# Altium PCB PCB1.PcbDoc (part 4 of 8)
Units mm, origin at the board's own origin, x right, y up, seen from the top; angles counter-clockwise.
Board outline 215 x 62.44 mm, 6 copper layers (Top Layer, Layer 1, Layer 2, Layer 3, Layer 4, Bottom Layer), stack 1.538 mm thick; 444 components, 475 nets, 1876 pads, 1257 vias.
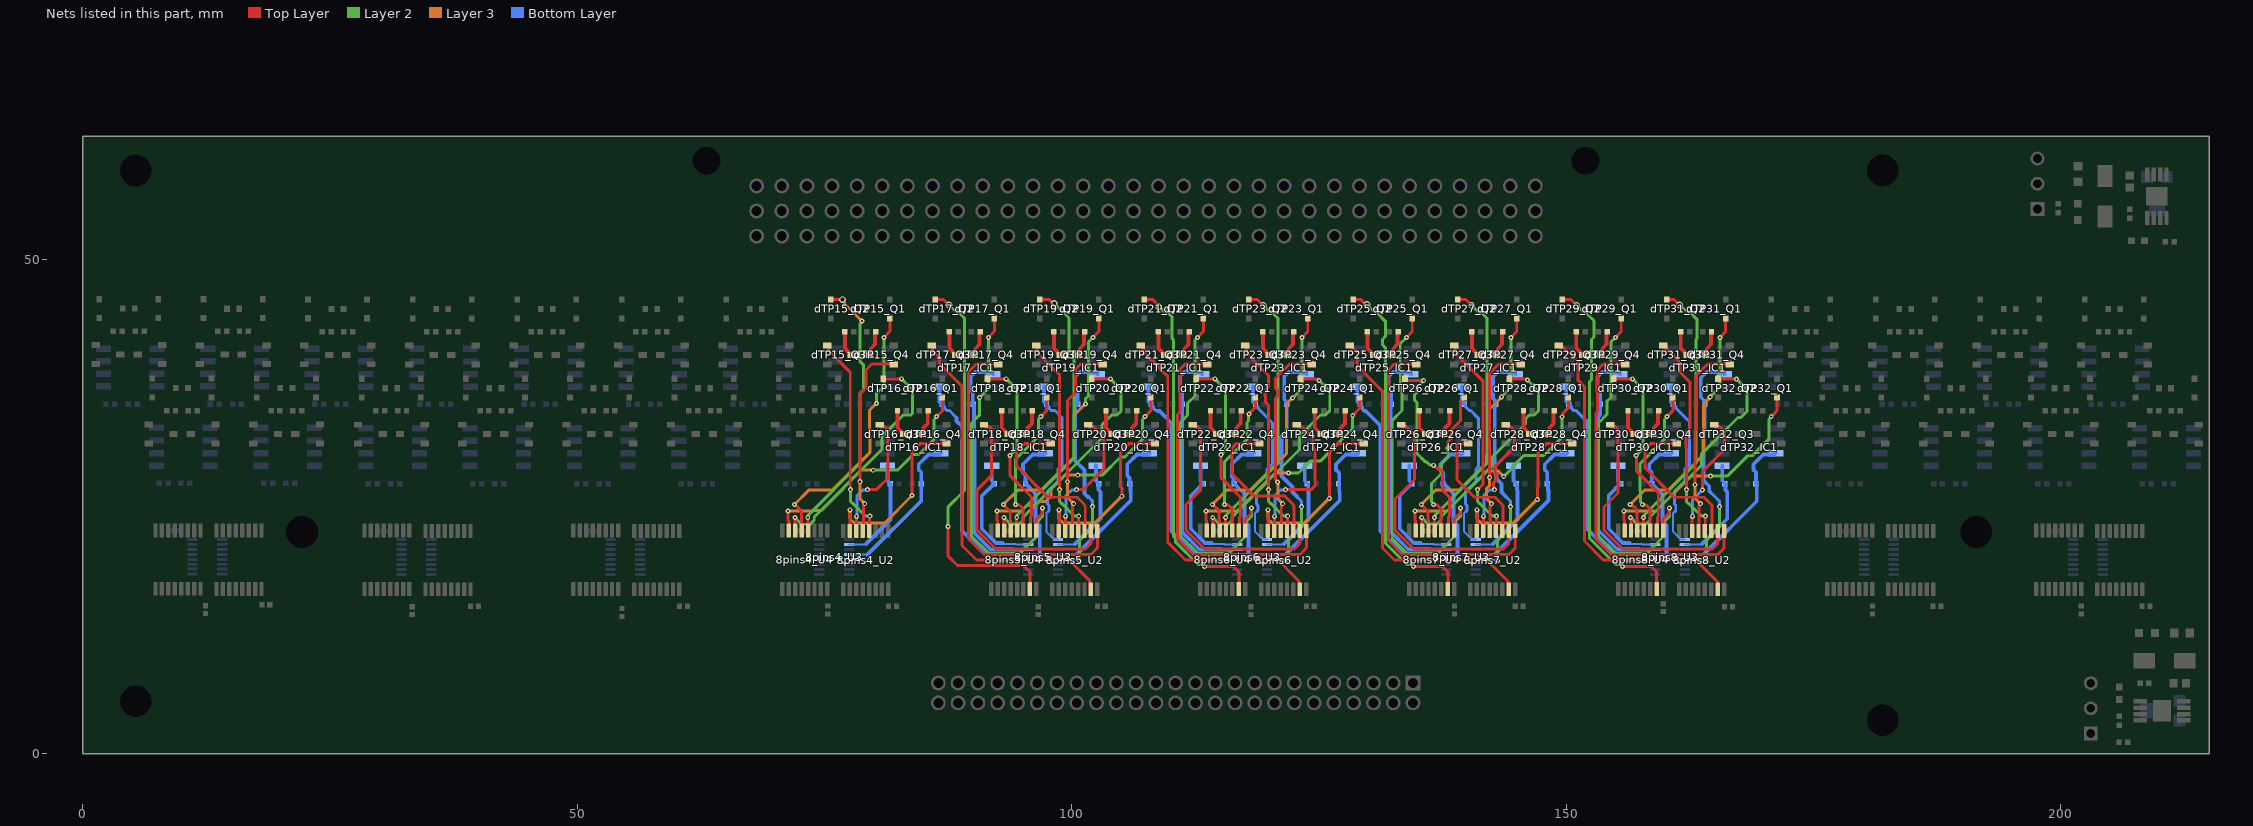
[diagram p8: the nets of this part, all layers, seen from the top]

## Via types
v1: diameter 0.5, hole 0.22, Top Layer to Bottom Layer, 884 vias
v2: diameter 0.5/0.5/0.5/0.5/0.5/0.5 (per signal layer), hole 0.22, Top Layer to Bottom Layer, tented both sides, 221 vias
v3: diameter 0.7, hole 0.4, Top Layer to Bottom Layer, 143 vias
v4: diameter 1.2, hole 0.5, Top Layer to Bottom Layer, 9 vias

## Nets (pads, with @x,y where several pads share a name; then routed paths per layer and width w, separated by ;. In a path a pad name is that pad's centre, name@x,y a point inside that pad or via, vN(x,y) a via of type N, cw(c..) or ccw(c..) an arc to the next point about the centre after c; other vN are vias at no path point) (continued)
NetdTP15_Q1_1: 8pins4_U4.5 dTP15_Q1.1 | length 27.3
  Top Layer w0.3: v1(71.948,25.229) 72.002,25.229 72.644,24.586 72.644,23.65 72.68,23.615 8pins4_U4.5@72.68,22.592 ; v1(81.004,42.127) 81.592,42.715 dTP15_Q1.1@81.592,44.077
  Layer 2 w0.3: v1(80.235,35.443) 80.235,36.444 81.004,37.213 v1(81.004,42.127)
  Layer 3 w0.3: v1(71.948,25.229) 73.393,26.674 75.777,26.674 79.571,30.468 79.571,31.971 79.518,32.023 79.518,34.727 v1(80.235,35.443)
NetdTP15_Q2_1: 8pins4_U4.4 dTP15_Q2.1 | length 28
  Top Layer w0.3: v1(73.298,23.921) 73.298,22.623 8pins4_U4.4@73.33,22.592 ; dTP15_Q2.1@75.618,45.953 75.626,45.945 76.82,45.945 v3(76.828,45.937)
  Layer 2 w0.3: v1(73.298,23.921) 73.337,23.959 73.337,24.143 78.558,29.365 78.558,36.428 78.954,36.824 78.954,39.312 78.558,39.708 78.558,43.484 78.689,43.615 78.689,43.617 78.789,43.717 v1(78.789,43.771)
  Layer 3 w0.3: v3(76.828,45.937) 76.828,45.829 77.011,45.646 77.011,45.549 v1(78.789,43.771)
NetdTP15_Q3_1: 8pins4_U2.4 dTP15_Q3.1 | length 20.9
  Top Layer w0.3: dTP15_Q3.1@75.256,41.303 75.304,41.303 75.454,41.153 75.454,40.741 77.592,38.603 77.592,26.76 v1(77.627,26.725) ; 8pins4_U2.4@79.501,22.563 79.537,22.599 79.537,24.012 v1(79.572,24.048)
  Layer 2 w0.3: v1(77.627,26.725) 77.627,25.523 77.803,25.347 77.847,25.347 79.146,24.048 v1(79.572,24.048)
NetdTP15_Q3_3: dTP15_Q3.3 dTP15_R7.2 | length 2.7
  Top Layer w0.381: dTP15_R7.2@77.054,42.727 77.054,41.005 dTP15_Q3.3@77.519,40.54 ; dTP15_Q3.3@77.561,40.445 dTP15_Q3.3@77.886,40.445
NetdTP15_Q4_1: 8pins4_U2.5 dTP15_Q4.1 | length 19.9
  Top Layer w0.3: v1(78.559,27.536) 78.559,36.429 79.188,37.058 79.188,38.837 79.779,39.427 dTP15_Q4.1@82.004,39.427 ; 8pins4_U2.5@78.851,22.563 78.926,22.638 78.926,23.713 78.918,23.721 78.918,25.112 79.062,25.255 v1(79.062,25.309)
  Layer 3 w0.3: v1(78.559,27.536) 78.567,27.528 78.567,25.804 v1(79.062,25.309)
NetdTP15_Q4_3: dTP15_Q4.3 dTP15_R8.2 | length 2.6
  Top Layer w0.381: dTP15_Q4.3@79.504,40.377 79.555,40.377 79.664,40.487 79.664,40.988 80.103,41.426 80.103,42.676 dTP15_R8.2@80.154,42.727
NetdTP16_IC1_1: 8pins4_U3.2 dTP16_IC1.1 dTP16_R5.2 | length 10.8
  Bottom Layer w0.2: 8pins4_U3.2@77.476,21.168 79.131,21.168 79.202,21.239
  Bottom Layer w0.381: 79.202,21.239 81.677,23.714 81.677,27.311 81.361,27.627 dTP16_IC1.1@81.361,29.16
NetdTP16_IC1_7: 8pins4_U3.4 dTP16_IC1.7 dTP16_R6.2 | length 16.1
  Bottom Layer w0.2: 8pins4_U3.4@77.476,20.168 79.35,20.168
  Bottom Layer w0.381: 79.35,20.168 84.773,25.591 84.773,28.482 84.523,28.732 84.523,29.308 85.51,30.295 86.65,30.295 dTP16_IC1.7@86.785,30.43
NetdTP16_Q1_1: 8pins4_U4.7 dTP16_Q1.1 | length 24.4
  Top Layer w0.3: v1(71.302,24.566) 71.309,24.56 71.309,23.635 71.38,23.564 8pins4_U4.7@71.38,22.592 ; v1(86.323,34.115) 86.911,34.703
  Top Layer w0.31: 86.911,34.703 86.912,34.704 dTP16_Q1.1@86.912,36.04
  Layer 2 w0.3: v1(79.916,28.695) 82.375,28.695 83.967,30.286 84.519,30.286 86.073,31.84 86.073,33.832 86.323,34.082 v1(86.323,34.115)
  Layer 3 w0.3: v1(71.302,24.566) 71.311,24.575 73.883,24.575 73.919,24.611 74.708,24.611 76.973,26.875 76.973,26.996 78.672,28.695 v1(79.916,28.695)
NetdTP16_Q2_1: 8pins4_U4.6 dTP16_Q2.1 | length 24.9
  Top Layer w0.3: v1(71.99,23.906) 72.01,23.886 72.01,22.612 8pins4_U4.6@72.03,22.592 ; dTP16_Q2.1@80.936,37.94 v1(82.764,37.94)
  Layer 2 w0.3: v1(71.99,23.906) 72.662,23.234 73.536,23.234 73.952,23.65 73.952,23.976 80.826,30.849 80.826,32.143 82.952,34.269 83.715,34.269 83.891,34.444 83.891,36.813 v1(82.764,37.94)
NetdTP16_Q3_1: 8pins4_U2.6 dTP16_Q3.1 | length 13.4
  Top Layer w0.3: 8pins4_U2.6@78.201,22.563 78.219,22.581 78.219,24.015 v1(78.236,24.033) ; v1(79.354,26.725) 80.23,26.725 81.409,27.904 81.409,32.779 81.047,33.14 80.747,33.14 dTP16_Q3.1@80.573,33.315
  Bottom Layer w0.3: v1(78.236,24.033) 78.275,24.071 78.275,26.128 78.851,26.705 79.334,26.705 v1(79.354,26.725)
NetdTP16_Q3_3: dTP16_Q3.3 dTP16_R7.2 | length 2.7
  Top Layer w0.381: dTP16_R7.2@82.373,34.715 82.373,32.992 dTP16_Q3.3@82.838,32.527 ; dTP16_Q3.3@82.88,32.432 dTP16_Q3.3@83.205,32.432
NetdTP16_Q4_1: 8pins4_U2.7 dTP16_Q4.1 | length 18.9
  Top Layer w0.3: 8pins4_U2.7@77.551,22.563 77.564,22.576 77.564,24.681 v1(77.576,24.693) ; v1(83.847,26.129) 83.858,26.14 83.858,30.55 84.723,31.415 dTP16_Q4.1@87.323,31.415
  Layer 3 w0.3: v1(77.576,24.693) 77.576,23.768 77.966,23.379 81.096,23.379 v1(83.847,26.129)
NetdTP16_Q4_3: dTP16_Q4.3 dTP16_R8.2 | length 2.6
  Top Layer w0.381: dTP16_Q4.3@84.823,32.365 84.874,32.365 84.983,32.474 84.983,32.975 85.421,33.413 85.421,34.663 dTP16_R8.2@85.473,34.715
NetdTP17_IC1_1: 8pins5_U3.13 dTP17_IC1.1 dTP17_R5.2 | length 23.4
  Bottom Layer w0.2: 91.306,20.172 91.534,20.172 91.538,20.168 94.266,20.168 94.27,20.172 8pins5_U3.13@95.601,20.172
  Bottom Layer w0.25: 91.306,20.172 91.31,20.168
  Bottom Layer w0.3: dTP17_R5.2@86.977,35.377 86.977,35.248 87.147,35.078 87.147,34.933 87.352,34.728 87.626,34.728 88.342,34.012
  Bottom Layer w0.381: dTP17_IC1.1@86.608,37.172 86.608,35.639 86.87,35.377 86.87,35.355 dTP17_R5.2@86.872,35.353 ; 88.342,34.012 88.342,33.668 88.926,33.084 88.926,22.552 91.306,20.172
NetdTP17_IC1_7: 8pins5_U3.14 dTP17_IC1.7 dTP17_R6.2 | length 24.8
  Bottom Layer w0.2: 94.04,20.713 94.085,20.668 8pins5_U3.14@95.605,20.668
  Bottom Layer w0.381: dTP17_IC1.7@92.034,38.418 91.899,38.553 91.32,38.553 91.239,38.634 90.243,38.634 89.77,38.16 89.77,36.745 89.991,36.524 89.991,35.384 90.106,35.269 90.106,32.669 90.019,32.582 90.019,32.006 90.186,31.839 90.186,22.29 91.764,20.713 94.04,20.713
NetdTP17_Q1_1: 8pins5_U4.1 dTP17_Q1.1 | length 35.9
  Top Layer w0.3: v1(91.57,42.127) 92.158,42.715 dTP17_Q1.1@92.158,44.077 ; 8pins5_U4.1@96.393,23.27 96.393,23.742 96.978,24.327 96.978,24.766 97.029,24.817 v1(97.029,24.871)
  Layer 2 w0.3: v1(91.57,42.127) 91.57,36.945 v1(90.686,36.061) 90.686,34.296 89.866,33.476 89.866,22.052 91.568,20.35 94.793,20.35 96.394,21.95 96.394,23.39 97.029,24.025 v1(97.029,24.871)
NetdTP17_Q2_1: 8pins5_U4.15 dTP17_Q2.1 | length 39.1
  Top Layer w0.3: dTP17_Q2.1@86.184,45.953 87.014,45.953 87.57,45.397 v3(87.59,45.397) ; v1(87.5,23) 87.5,20 88.426,19.074 95.087,19.074 95.759,18.402 8pins5_U4.15@95.759,16.692
  Layer 2 w0.3: v1(87.5,23) 87.5,25 89.139,26.639 89.139,44.063 88.51,44.692 88.295,44.692 v3(87.59,45.397)
NetdTP17_Q3_1: 8pins5_U2.15 dTP17_Q3.1 | length 36.8
  Top Layer w0.3: dTP17_Q3.1@85.822,41.303 85.923,41.203 85.923,40.729 86.597,40.055 86.597,39.498 88.9,37.195 88.9,21.087 90.359,19.628 99.707,19.628 101.855,17.479 101.855,16.738 8pins5_U2.15@101.93,16.663
NetdTP17_Q3_3: dTP17_Q3.3 dTP17_R7.2 | length 2.7
  Top Layer w0.381: dTP17_R7.2@87.62,42.727 87.62,41.005 dTP17_Q3.3@88.086,40.54 ; dTP17_Q3.3@88.128,40.445 dTP17_Q3.3@88.453,40.445
NetdTP17_Q4_1: 8pins5_U2.1 dTP17_Q4.1 | length 35.9
  Top Layer w0.3: dTP17_Q4.1@92.57,39.427 90.345,39.427 89.561,38.643 89.561,21.772 91.152,20.182 101.941,20.182 102.58,20.821 8pins5_U2.1@102.58,22.563
NetdTP17_Q4_3: dTP17_Q4.3 dTP17_R8.2 | length 2.6
  Top Layer w0.381: dTP17_Q4.3@90.07,40.377 90.121,40.377 90.231,40.487 90.231,40.988 90.669,41.426 90.669,42.676 dTP17_R8.2@90.72,42.727
NetdTP18_IC1_1: 8pins5_U3.15 dTP18_IC1.1 dTP18_R5.2 | length 12.4
  Bottom Layer w0.2: 93.01,21.348 93.101,21.257 94.266,21.257 94.355,21.168 8pins5_U3.15@95.605,21.168
  Bottom Layer w0.381: dTP18_IC1.1@91.902,29.16 91.902,27.627 92.164,27.365 dTP18_R5.2@92.164,27.339 ; dTP18_R5.2@92.165,27.34 90.899,26.074 90.899,22.772 92.323,21.348 93.01,21.348
NetdTP18_IC1_7: 8pins5_U3.12 dTP18_IC1.7 dTP18_R6.2 | length 13.9
  Bottom Layer w0.2: 8pins5_U3.12@95.605,19.668 95.655,19.718 96.225,19.718 96.749,20.242 96.749,20.248
  Bottom Layer w0.381: 96.749,20.248 96.749,23.094 96.334,23.509 96.334,26.322 dTP18_R6.2@95.315,27.34 95.315,28.225 95.064,28.476 95.064,29.308 96.051,30.295 97.191,30.295 dTP18_IC1.7@97.326,30.43
NetdTP18_Q1_1: 8pins5_U4.3 dTP18_Q1.1 | length 15.4
  Top Layer w0.3: v1(94.303,25.229) 94.341,25.191 94.696,25.191 95.081,24.806 8pins5_U4.3@95.081,22.511 ; v1(96.864,34.115) 97.452,34.703
  Top Layer w0.31: 97.452,34.703 97.453,34.704 dTP18_Q1.1@97.453,36.04
  Layer 2 w0.3: v1(94.303,25.229) 94.303,29.797 96.614,32.109 96.614,33.832 96.864,34.082 v1(96.864,34.115)
NetdTP18_Q2_1: 8pins5_U4.2 dTP18_Q2.1 | length 18.9
  Top Layer w0.3: dTP18_Q2.1@91.477,37.94 v1(93.364,37.94) ; v1(93.745,30.176) 93.764,30.157 93.764,28.141 95.911,25.994 95.911,24.044 95.834,23.967 95.834,23.318 95.834,22.667 8pins5_U4.2@95.759,22.592
  Layer 2 w0.3: v1(93.364,37.94) 94.432,36.872 94.432,30.865 93.745,30.178 v1(93.745,30.176)
NetdTP18_Q3_1: 8pins5_U2.2 dTP18_Q3.1 | length 25.6
  Top Layer w0.3: dTP18_Q3.1@91.114,33.315 91.288,33.14 91.588,33.14 91.89,32.838 91.89,28.185 90.425,26.72 90.425,22.635 92.324,20.736 101.377,20.736 101.925,21.284 101.925,22.558 8pins5_U2.2@101.93,22.563
NetdTP18_Q3_3: dTP18_Q3.3 dTP18_R7.2 | length 2.7
  Top Layer w0.381: dTP18_R7.2@92.914,34.715 92.914,32.992 dTP18_Q3.3@93.379,32.527 ; dTP18_Q3.3@93.421,32.432 dTP18_Q3.3@93.746,32.432
NetdTP18_Q4_1: 8pins5_U2.3 dTP18_Q4.1 | length 16.5
  Top Layer w0.3: dTP18_Q4.1@97.864,31.415 95.264,31.415 94.399,30.55 94.399,29.141 97.577,25.963 100.534,25.963 101.22,25.277 101.22,25.223 101.355,25.088 101.355,22.638 8pins5_U2.3@101.28,22.563
NetdTP18_Q4_3: dTP18_Q4.3 dTP18_R8.2 | length 2.6
  Top Layer w0.381: dTP18_Q4.3@95.364,32.365 95.415,32.365 95.524,32.474 95.524,32.975 95.962,33.413 95.962,34.663 dTP18_R8.2@96.014,34.715
NetdTP19_IC1_1: 8pins5_U3.1 dTP19_IC1.1 dTP19_R5.2 | length 17.9
  Bottom Layer w0.2: 97.578,24.495 97.542,24.495 97.415,24.369 97.415,22.483 98.23,21.668 8pins5_U3.1@98.605,21.668
  Bottom Layer w0.3: dTP19_R5.2@97.438,35.353 97.713,35.078 97.713,34.933 97.918,34.728 98.286,34.728 98.985,34.029 98.985,29.194 98.601,28.81 98.601,27.602 97.56,26.56 97.56,25.265 97.683,25.142 97.683,24.6 97.578,24.495
  Bottom Layer w0.381: dTP19_IC1.1@97.175,37.172 97.175,35.639 dTP19_R5.2@97.437,35.377
NetdTP19_IC1_7: 8pins5_U3.5 dTP19_IC1.7 dTP19_R6.2 | length 24.9
  Layer 2 w0.3: v1(100.773,19.528) 100.773,21.581 102.104,22.912 v1(102.104,25.005)
  Bottom Layer w0.2: 8pins5_U3.5@98.605,19.668 100.209,19.668 100.254,19.624 100.505,19.624 100.544,19.585 100.715,19.585 v1(100.773,19.528)
  Bottom Layer w0.3: 101.677,25.989 102.104,25.562 v1(102.104,25.005)
  Bottom Layer w0.381: dTP19_R6.2@100.587,35.377 100.587,36.495 100.337,36.745 100.337,38.16 100.81,38.634 101.805,38.634 101.886,38.553 102.466,38.553 dTP19_IC1.7@102.6,38.418 ; dTP19_R6.2@100.588,35.353 100.354,35.119 100.354,29.641 101.291,28.704 101.291,26.321 101.624,25.989 101.677,25.989
NetdTP19_Q1_1: 8pins5_U4.5 dTP19_Q1.1 | length 27.2
  Top Layer w0.3: v1(93.077,25.229) 93.773,24.532 93.773,23.65 93.809,23.615 8pins5_U4.5@93.809,22.592 ; v1(102.137,42.127) 102.725,42.715 dTP19_Q1.1@102.725,44.077
  Layer 2 w0.3: v1(101.367,35.381) 101.406,35.42 101.406,35.952 101.685,36.231 101.685,41.676 v1(102.137,42.127)
  Layer 3 w0.3: v1(93.077,25.229) 94.522,26.674 96.906,26.674 100.229,29.998 100.229,34.243 v1(101.367,35.381)
NetdTP19_Q2_1: 8pins5_U4.4 dTP19_Q2.1 | length 27.9
  Top Layer w0.3: v1(94.427,23.921) 94.427,22.623 8pins5_U4.4@94.459,22.592 ; dTP19_Q2.1@96.75,45.953 97.726,45.953 98.112,45.567 v3(98.221,45.567)
  Layer 2 w0.3: v1(94.427,23.921) 94.466,23.959 94.466,24.143 100.229,29.907 100.229,40.166 99.72,40.675 99.72,41.365 99.706,41.38 99.706,44.082 v3(98.221,45.567)
NetdTP19_Q3_1: 8pins5_U2.4 dTP19_Q3.1 | length 20.8
  Top Layer w0.3: dTP19_Q3.1@96.388,41.303 96.489,41.203 96.489,40.729 96.64,40.578 96.64,40.455 98.754,38.341 98.754,30.889 98.756,30.887 v1(98.756,26.725) ; 8pins5_U2.4@100.63,22.563 100.666,22.599 100.666,24.012 v1(100.701,24.048)
  Layer 2 w0.3: v1(98.756,26.725) 98.756,25.523 98.932,25.347 98.976,25.347 100.275,24.048 v1(100.701,24.048)
NetdTP19_Q3_3: dTP19_Q3.3 dTP19_R7.2 | length 2.7
  Top Layer w0.381: dTP19_R7.2@98.187,42.727 98.187,41.005 dTP19_Q3.3@98.652,40.54 ; dTP19_Q3.3@98.694,40.445 dTP19_Q3.3@99.019,40.445
NetdTP19_Q4_1: 8pins5_U2.5 dTP19_Q4.1 | length 20
  Top Layer w0.3: v1(99.563,27.532) 99.563,35.725 100.377,36.54 100.377,38.893 100.912,39.427 dTP19_Q4.1@103.137,39.427 ; 8pins5_U2.5@99.98,22.563 100.055,22.638 100.055,23.713 100.047,23.721 100.047,25.112 100.191,25.255 v1(100.191,25.309)
  Layer 3 w0.3: v1(99.563,27.532) 99.563,25.937 v1(100.191,25.309)
NetdTP19_Q4_3: dTP19_Q4.3 dTP19_R8.2 | length 2.6
  Top Layer w0.381: dTP19_Q4.3@100.637,40.377 100.688,40.377 100.797,40.487 100.797,40.988 101.235,41.426 101.235,42.676 dTP19_R8.2@101.287,42.727
NetdTP20_IC1_1: 8pins5_U3.2 dTP20_IC1.1 dTP20_R5.2 | length 10.9
  Bottom Layer w0.2: 8pins5_U3.2@98.605,21.168 100.26,21.168 100.331,21.239
  Bottom Layer w0.381: 100.331,21.239 102.897,23.805 102.897,26.521 102.705,26.713 102.705,27.365 102.443,27.627 dTP20_IC1.1@102.443,29.16
NetdTP20_IC1_7: 8pins5_U3.4 dTP20_IC1.7 dTP20_R6.2 | length 16.2
  Bottom Layer w0.2: 8pins5_U3.4@98.605,20.168 100.479,20.168
  Bottom Layer w0.381: 100.479,20.168 105.956,25.645 105.956,26.508 105.941,26.523 105.941,27.278 105.835,27.384 105.835,27.916 105.605,28.146 105.605,29.308 106.592,30.295 107.732,30.295 dTP20_IC1.7@107.867,30.43
NetdTP20_Q1_1: 8pins5_U4.7 dTP20_Q1.1 | length 24.7
  Top Layer w0.3: v1(92.431,24.566) 92.438,24.56 92.438,23.635 92.509,23.564 8pins5_U4.7@92.509,22.592 ; v1(107.405,34.115) 107.993,34.703
  Top Layer w0.31: 107.993,34.703 107.994,34.704 dTP20_Q1.1@107.994,36.04
  Layer 2 w0.3: v1(100.597,28.195) 103.075,28.195 104.917,30.036 105.351,30.036 107.155,31.84 107.155,33.832 107.405,34.082 v1(107.405,34.115)
  Layer 3 w0.3: v1(92.431,24.566) 92.44,24.575 94.897,24.575 95.46,25.137 96.37,25.137 96.758,25.525 97.347,25.525 97.892,26.071 97.892,26.787 99.301,28.195 v1(100.597,28.195)
NetdTP20_Q2_1: 8pins5_U4.6 dTP20_Q2.1 | length 24.7
  Top Layer w0.3: v1(93.119,23.906) 93.139,23.886 93.139,22.612 8pins5_U4.6@93.159,22.592 ; dTP20_Q2.1@102.018,37.94 v1(103.896,37.94)
  Layer 2 w0.3: v1(93.119,23.906) 93.766,23.259 94.691,23.259 95.081,23.65 95.081,23.976 103.051,31.945 103.051,33.286 104.034,34.269 104.574,34.269 104.973,34.668 104.973,36.864 v1(103.896,37.94)
NetdTP20_Q3_1: 8pins5_U2.6 dTP20_Q3.1 | length 13.9
  Top Layer w0.3: 8pins5_U2.6@99.33,22.563 99.348,22.581 99.348,24.015 v1(99.365,24.033) ; v1(100.483,26.725) 101.13,26.725 103.267,28.862 103.267,32.003 102.105,33.165 101.805,33.165 dTP20_Q3.1@101.655,33.315
  Bottom Layer w0.3: v1(99.365,24.033) 99.404,24.071 99.404,26.128 99.98,26.705 100.463,26.705 v1(100.483,26.725)
NetdTP20_Q3_3: dTP20_Q3.3 dTP20_R7.2 | length 2.7
  Top Layer w0.381: dTP20_R7.2@103.455,34.715 103.455,32.992 dTP20_Q3.3@103.92,32.527 ; dTP20_Q3.3@103.962,32.432 dTP20_Q3.3@104.287,32.432
NetdTP20_Q4_1: 8pins5_U2.7 dTP20_Q4.1 | length 19.1
  Top Layer w0.3: 8pins5_U2.7@98.68,22.563 98.693,22.576 98.693,24.681 v1(98.705,24.693) ; v1@105.039,26.081 v1(105.055,26.065) 105.055,26.899 104.94,27.015 104.94,30.55 105.805,31.415 dTP20_Q4.1@108.405,31.415
  Layer 3 w0.3: v1(98.705,24.693) 98.705,23.768 99.095,23.379 102.369,23.379 v1(105.055,26.065)
NetdTP20_Q4_3: dTP20_Q4.3 dTP20_R8.2 | length 2.6
  Top Layer w0.381: dTP20_Q4.3@105.905,32.365 105.956,32.365 106.065,32.474 106.065,32.975 106.503,33.413 106.503,34.663 dTP20_R8.2@106.555,34.715
NetdTP21_IC1_1: 8pins6_U3.13 dTP21_IC1.1 dTP21_R5.2 | length 23.4
  Bottom Layer w0.2: 112.435,20.172 112.663,20.172 112.667,20.168 115.395,20.168 115.399,20.172 8pins6_U3.13@116.73,20.172
  Bottom Layer w0.25: 112.435,20.172 112.439,20.168
  Bottom Layer w0.3: dTP21_R5.2@108.239,35.115 108.28,35.075 108.28,34.933 108.485,34.728 108.654,34.728 108.695,34.688
  Bottom Layer w0.381: dTP21_IC1.1@107.741,37.172 107.741,35.639 dTP21_R5.2@108.003,35.377 ; dTP21_R5.2@108.005,35.353 108.239,35.119 dTP21_R5.2@108.239,35.115 ; 108.695,34.688 108.867,34.688 110.055,33.5 110.055,22.552 112.435,20.172
NetdTP21_IC1_7: 8pins6_U3.14 dTP21_IC1.7 dTP21_R6.2 | length 24.7
  Bottom Layer w0.2: 115.169,20.713 115.214,20.668 8pins6_U3.14@116.734,20.668
  Bottom Layer w0.381: dTP21_R6.2@111.155,35.353 111.155,32.61 111.126,32.582 111.126,32.006 111.155,31.978 111.155,22.45 112.893,20.713 115.169,20.713 ; dTP21_R6.2@111.155,35.376 111.155,36.493 110.903,36.745 110.903,38.159 111.378,38.634 112.372,38.634 112.452,38.553 113.032,38.553 dTP21_IC1.7@113.167,38.418
NetdTP21_Q1_1: 8pins6_U4.1 dTP21_Q1.1 | length 35.9
  Top Layer w0.3: v1(112.703,42.127) 113.291,42.715 dTP21_Q1.1@113.291,44.077 ; 8pins6_U4.1@117.522,23.27 117.522,23.742 118.107,24.327 118.107,24.766 118.158,24.817 v1(118.158,24.871)
  Layer 2 w0.3: v1(112.703,42.127) 112.703,42.107 112.447,41.852 112.447,36.197 111.709,35.458 111.709,34.264 110.995,33.55 110.995,22.052 112.697,20.35 115.922,20.35 117.523,21.95 117.523,23.39 118.158,24.025 v1(118.158,24.871)
NetdTP21_Q2_1: 8pins6_U4.15 dTP21_Q2.1 | length 35.9
  Top Layer w0.3: dTP21_Q2.1@107.317,45.953 108.191,45.953 108.403,45.741 108.403,45.699 108.787,45.315 v3(108.787,45.206) ; v1(113.433,18.974) 116.316,18.974 116.888,18.402 8pins6_U4.15@116.888,16.692
  Layer 2 w0.3: v3(108.787,45.206) 108.865,45.206 109.392,44.679 109.655,44.679 110.106,44.229 110.106,42.05 110.272,41.883 110.272,21.991 110.5,21.763 110.5,21.403 112.747,19.156 113.197,19.156 113.379,18.974 v1(113.433,18.974)
NetdTP21_Q3_1: 8pins6_U2.15 dTP21_Q3.1 | length 36.9
  Top Layer w0.3: dTP21_Q3.1@106.953,41.327 107.056,41.327 107.23,41.153 107.23,40.665 108.949,38.946 108.949,38.877 109.332,38.494 109.401,38.494 109.7,38.195 109.7,21.416 111.488,19.628 120.836,19.628 122.984,17.479 122.984,16.738 8pins6_U2.15@123.059,16.663
NetdTP21_Q3_3: dTP21_Q3.3 dTP21_R7.2 | length 2.7
  Top Layer w0.381: dTP21_R7.2@108.753,42.727 108.753,41.005 dTP21_Q3.3@109.219,40.54 ; dTP21_Q3.3@109.26,40.445 dTP21_Q3.3@109.585,40.445
NetdTP21_Q4_1: 8pins6_U2.1 dTP21_Q4.1 | length 35.9
  Top Layer w0.3: dTP21_Q4.1@113.703,39.427 111.478,39.427 110.946,38.895 110.946,37.306 110.944,37.304 110.944,34.572 110.69,34.319 110.69,21.772 112.281,20.182 123.07,20.182 123.709,20.821 8pins6_U2.1@123.709,22.563
NetdTP21_Q4_3: dTP21_Q4.3 dTP21_R8.2 | length 2.6
  Top Layer w0.381: dTP21_Q4.3@111.203,40.377 111.254,40.377 111.364,40.487 111.364,40.988 111.802,41.426 111.802,42.676 dTP21_R8.2@111.853,42.727
NetdTP22_IC1_1: 8pins6_U3.15 dTP22_IC1.1 dTP22_R5.2 | length 12.4
  Bottom Layer w0.2: 114.139,21.348 114.23,21.257 115.395,21.257 115.484,21.168 8pins6_U3.15@116.734,21.168
  Bottom Layer w0.381: dTP22_IC1.1@113.009,29.16 113.009,27.627 113.271,27.365 113.271,27.339 112.607,26.674 112.595,26.674 112.028,26.107 112.028,22.772 113.452,21.348 114.139,21.348
NetdTP22_IC1_7: 8pins6_U3.12 dTP22_IC1.7 dTP22_R6.2 | length 13.9
  Bottom Layer w0.2: 8pins6_U3.12@116.734,19.668 116.784,19.718 117.354,19.718 117.878,20.242 117.878,20.248
  Bottom Layer w0.381: 117.878,20.248 117.878,23.094 117.463,23.509 117.463,26.354 117.194,26.624 117.14,26.624 dTP22_R6.2@116.423,27.34 116.359,27.404 116.359,27.873 116.171,28.061 116.171,29.308 117.159,30.295 118.299,30.295 dTP22_IC1.7@118.433,30.43
NetdTP22_Q1_1: 8pins6_U4.3 dTP22_Q1.1 | length 15.4
  Top Layer w0.3: v1(115.432,25.229) 115.47,25.191 115.825,25.191 116.21,24.806 8pins6_U4.3@116.21,22.511 ; v1(117.9,34.372) 117.9,34.4 118.561,35.061
  Top Layer w0.31: 118.561,35.061 dTP22_Q1.1@118.561,36.04
  Layer 2 w0.3: v1(115.432,25.229) 115.432,29.55 117.721,31.84 117.721,33.522 117.871,33.672 117.871,34.343 v1(117.9,34.372)
NetdTP22_Q2_1: 8pins6_U4.2 dTP22_Q2.1 | length 18.7
  Top Layer w0.3: dTP22_Q2.1@112.585,37.94 v1(114.463,37.94) ; v1(115.1,30.265) 115.1,27.934 117.04,25.994 117.04,24.044 116.963,23.967 116.963,23.318 116.963,22.667 8pins6_U4.2@116.888,22.592
  Layer 2 w0.3: v1(114.463,37.94) 115.54,36.864 115.54,30.759 115.1,30.319 v1(115.1,30.265)
NetdTP22_Q3_1: 8pins6_U2.2 dTP22_Q3.1 | length 25.6
  Top Layer w0.3: dTP22_Q3.1@112.221,33.315 112.395,33.14 112.695,33.14 112.998,32.838 112.998,26.671 111.554,25.227 111.554,22.635 113.453,20.736 122.506,20.736 123.054,21.284 123.054,22.558 8pins6_U2.2@123.059,22.563
NetdTP22_Q3_3: dTP22_Q3.3 dTP22_R7.2 | length 2.7
  Top Layer w0.381: dTP22_R7.2@114.021,34.715 114.021,32.992 dTP22_Q3.3@114.487,32.527 ; dTP22_Q3.3@114.528,32.432 dTP22_Q3.3@114.853,32.432
NetdTP22_Q4_1: 8pins6_U2.3 dTP22_Q4.1 | length 15.8
  Top Layer w0.3: dTP22_Q4.1@118.971,31.415 116.662,31.415 116.212,30.964 116.212,28.309 118.449,26.071 121.555,26.071 122.349,25.277 122.349,25.223 122.484,25.088 122.484,22.638 8pins6_U2.3@122.409,22.563
NetdTP22_Q4_3: dTP22_Q4.3 dTP22_R8.2 | length 2.6
  Top Layer w0.381: dTP22_Q4.3@116.471,32.365 116.522,32.365 116.632,32.474 116.632,32.975 117.07,33.413 117.07,34.663 dTP22_R8.2@117.121,34.715
NetdTP23_IC1_1: 8pins6_U3.1 dTP23_IC1.1 dTP23_R5.2 | length 17.9
  Bottom Layer w0.2: 118.707,24.495 118.671,24.495 118.544,24.369 118.544,22.483 119.359,21.668 8pins6_U3.1@119.734,21.668
  Bottom Layer w0.3: dTP23_R5.2@118.569,35.377 118.569,35.355 dTP23_R5.2@118.571,35.353 118.846,35.078 118.846,34.933 120.296,33.483 120.296,29.376 119.73,28.81 119.73,27.602 118.689,26.56 118.689,25.265 118.812,25.142 118.812,24.6 118.707,24.495
  Bottom Layer w0.381: dTP23_IC1.1@118.307,37.172 118.307,35.639 dTP23_R5.2@118.569,35.377
NetdTP23_IC1_7: 8pins6_U3.5 dTP23_IC1.7 dTP23_R6.2 | length 25
  Layer 2 w0.3: v1(121.902,19.528) 121.902,21.581 123.233,22.912 v1(123.233,25.005)
  Bottom Layer w0.2: 8pins6_U3.5@119.734,19.668 121.338,19.668 121.382,19.624 121.634,19.624 121.673,19.585 121.844,19.585 v1(121.902,19.528)
  Bottom Layer w0.3: 122.806,25.989 123.233,25.562 v1(123.233,25.005)
  Bottom Layer w0.381: dTP23_R6.2@121.637,35.438 121.637,35.714 121.469,35.881 121.469,38.16 121.943,38.634 122.938,38.634 123.019,38.553 123.599,38.553 dTP23_IC1.7@123.733,38.418 ; dTP23_R6.2@121.721,35.353 121.721,32.636 121.2,32.115 121.2,28.119 122.307,27.013 122.307,26.488 122.806,25.989
NetdTP23_Q1_1: 8pins6_U4.5 dTP23_Q1.1 | length 27.2
  Top Layer w0.3: v1(114.206,25.229) 114.26,25.229 114.902,24.586 114.902,23.65 114.938,23.615 8pins6_U4.5@114.938,22.592 ; v1(123.269,42.127) 123.857,42.715 dTP23_Q1.1@123.857,44.077